# Altium PCB DM4K.pcbdoc (part 1 of 4)
Units mil, origin at the board's own origin, x right, y up, seen from the top; angles counter-clockwise.
Board outline 5262.35 x 2895 mil, 2 copper layers (Top Layer, Bottom Layer); 168 components, 255 nets, 1031 pads, 423 vias.
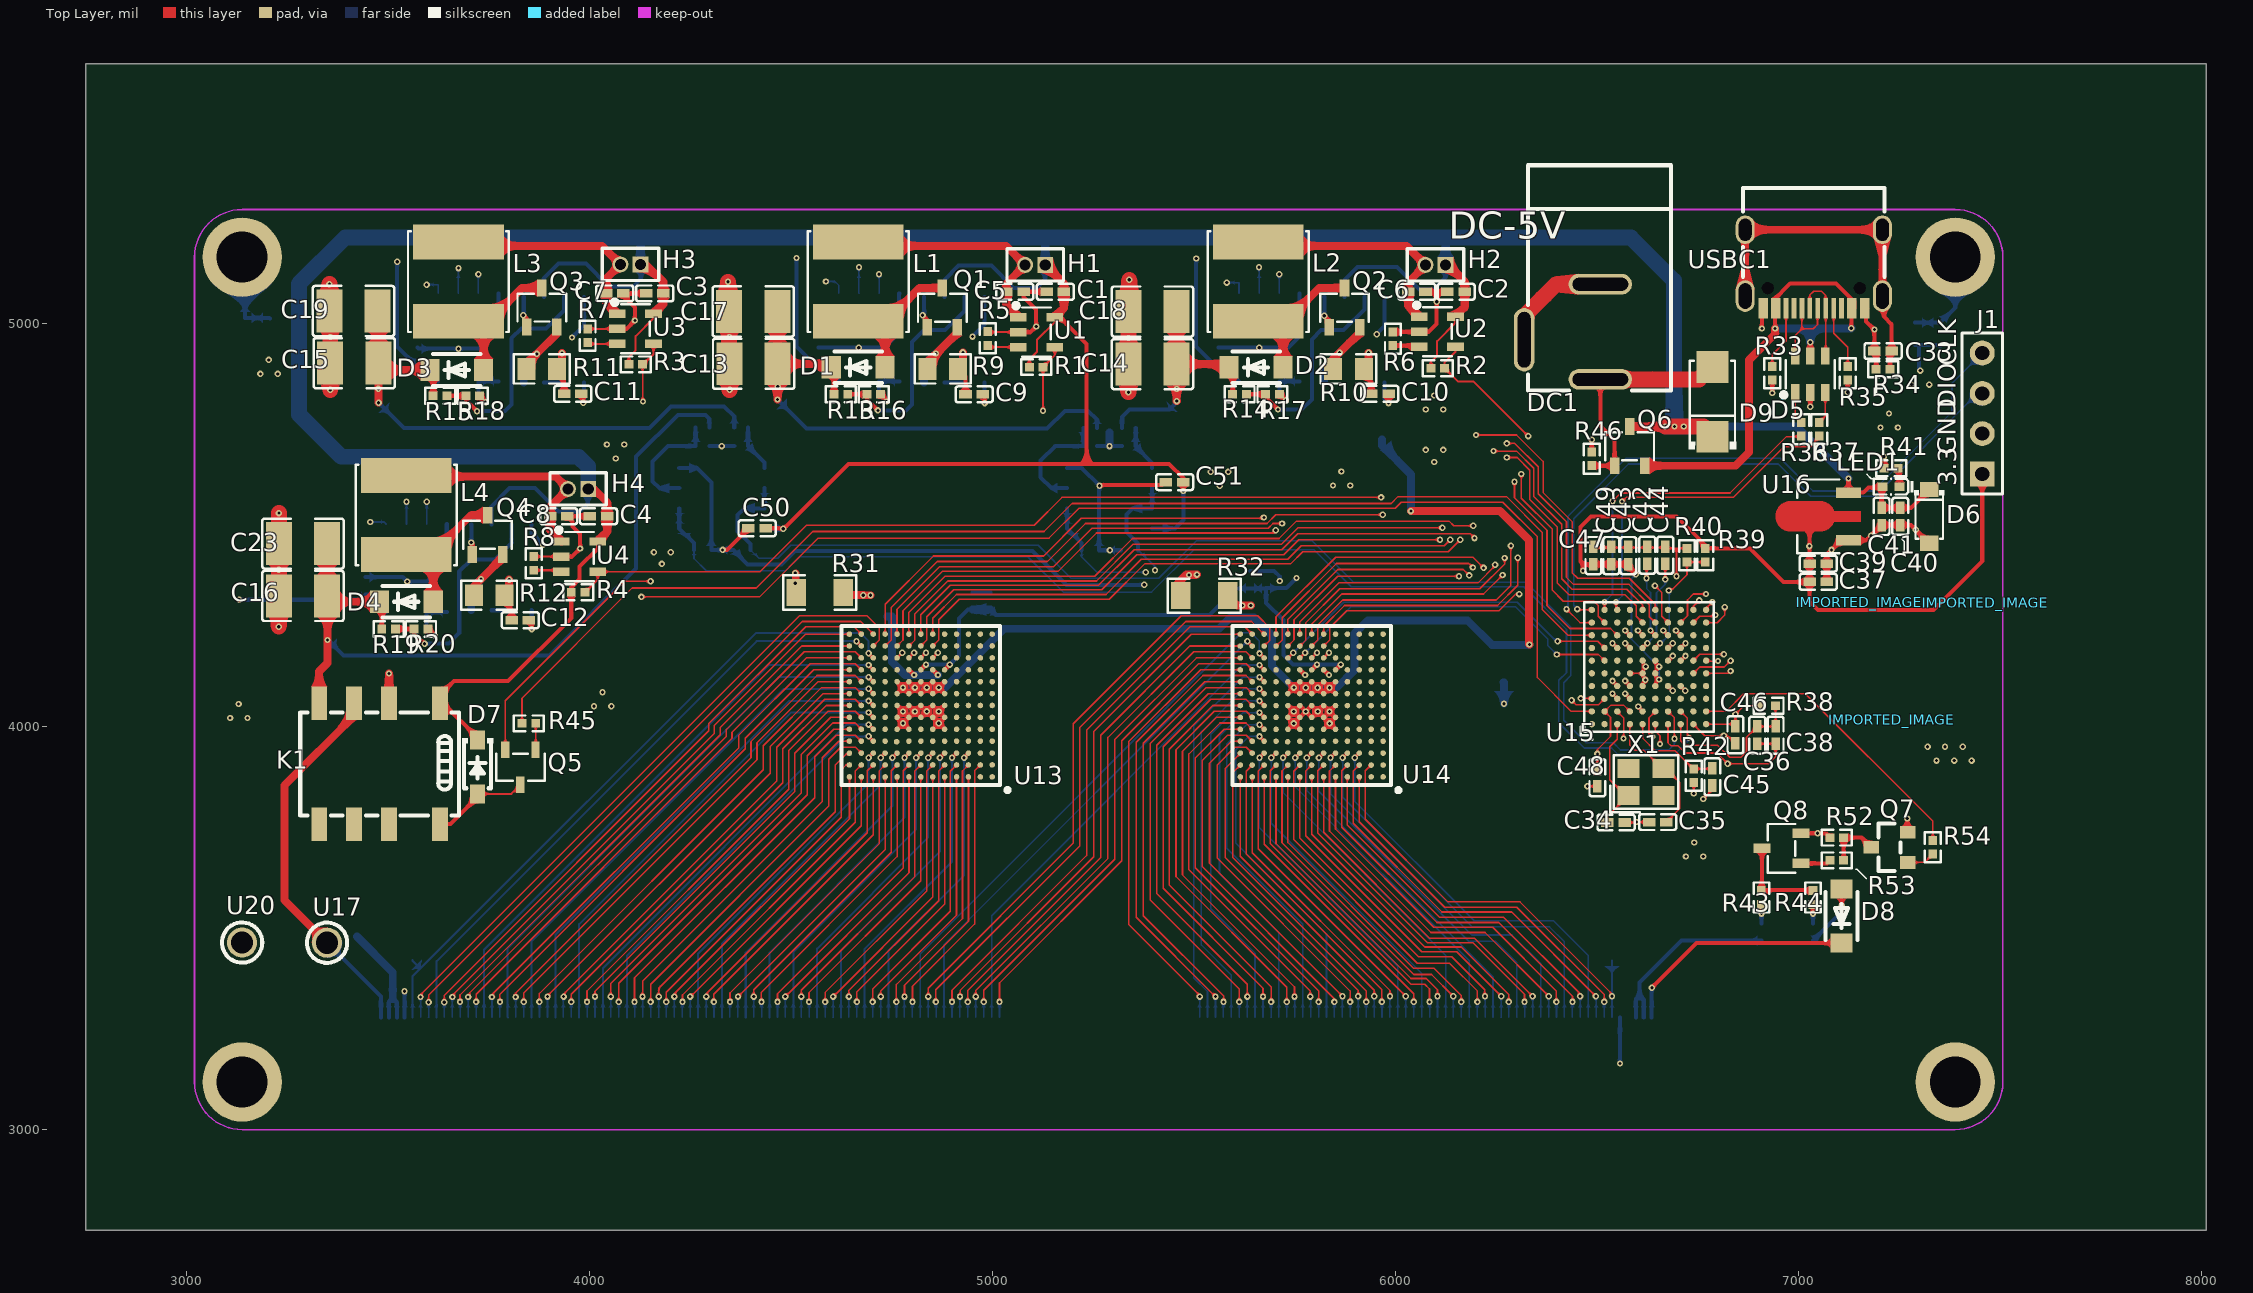
[diagram p0: Top Layer view]
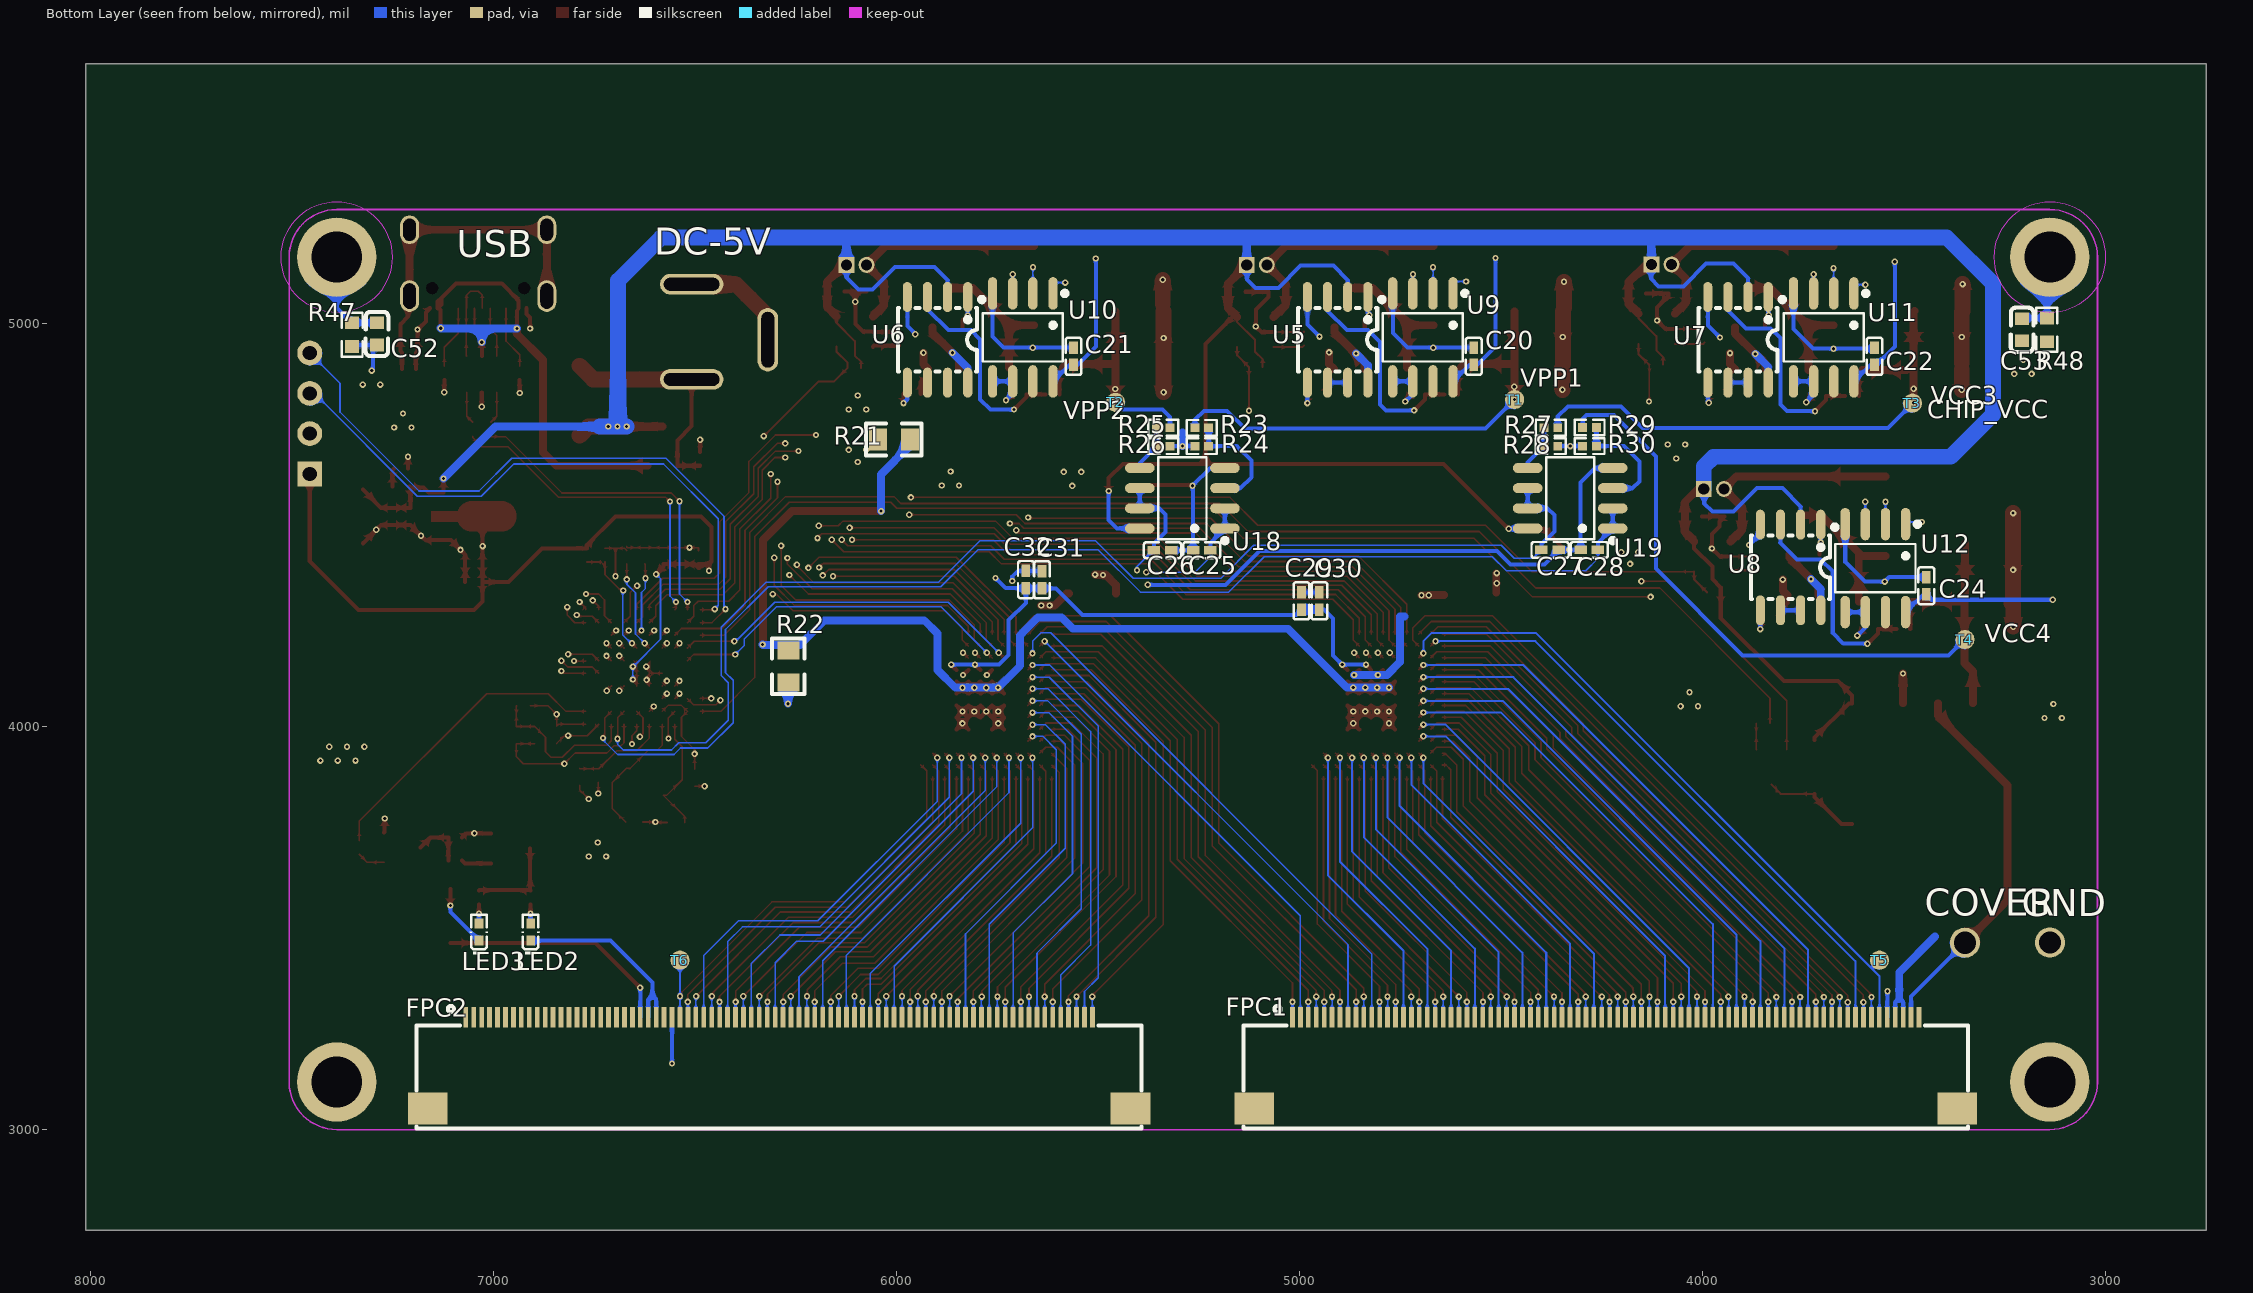
[diagram p1: Bottom Layer view, seen from below]

## Layer stack, top to bottom
Top Layer: signal copper (thickness not stored)
Dielectric: dielectric 12.6, FR-4, Dk 4.8
Bottom Layer: signal copper (thickness not stored)

## Board outline
8012.35,2750 2750,2750 2750,5645 8012.35,5645

## Components (designator, comment, footprint, x,y, rotation, side; value= is the part's Value field where it differs from the comment)
C1 "4.7uF" C0402 5156.13,5079.38 r0 top
C2 "4.7uF_C0402" C0402 6150.85,5079.49 r0 top
C3 "4.7uF_C0402" C0402 4161.89,5075.29 r0 top
C4 "4.7uF_C0402" C0402 4022.34,4522.11 r0 top
C5 "10uF_C0402" C0402 5055.74,5079.38 r180 top
C6 "10uF_C0402" C0402 6053.41,5079.49 r180 top
C7 "10uF_C0402" C0402 4062.48,5075.29 r180 top
C8 "10uF_C0402" C0402 3923.48,4522.11 r180 top
C9 "100nF_C0402_NEW" C0402_NEW 4954.69,4824.72 r0 top
C10 "100nF_C0402_NEW" C0402_NEW 5961.69,4826.22 r0 top
C11 "100nF_C0402_NEW" C0402_NEW 3958.46,4826 r0 top
C12 "100nF_C0402_NEW" C0402_NEW 3828.12,4264.22 r0 top
C13 "10uF_C1210" C1210 4407.34,4900.58 r0 top
C14 "10uF_C1210" C1210 5397.22,4899.69 r0 top
C15 "10uF_C1210" C1210 3416.21,4902.21 r0 top
C16 "10uF_C1210" C1210 3288.85,4324.37 r0 top
C17 "10uF_C1210" C1210 4406.35,5030.5 r0 top
C18 "10uF_C1210" C1210 5397.22,5030.27 r0 top
C19 "10uF_C1210" C1210 3414.24,5031.65 r0 top
C20 "100nF_C0402_NEW" C0402_NEW 4567.76,4919.17 r90 bottom
C21 "100nF_C0402_NEW" C0402_NEW 5561.09,4919.17 r90 bottom
C22 "100nF_C0402_NEW" C0402_NEW 3573.06,4919.17 r90 bottom
C23 "10uF_C1210" C1210 3288.85,4454.29 r0 top
C24 "100nF_C0402_NEW" C0402_NEW 3444.55,4349.69 r90 bottom
C25 "100pF" C0402 5242.82,4437.83 r180 bottom
C26 "100pF" C0402 5340.26,4437.83 r0 bottom
C27 "100pF" C0402 4378.29,4438.66 r0 bottom
C28 "100pF" C0402 4280.89,4438.67 r180 bottom
C29 "10uF" C0402 4995.3,4312.09 r270 bottom
C30 "100nF" C0402_NEW 4950.65,4312.09 r270 bottom
C31 "10uF" C0402 5639.31,4364.57 r270 bottom
C32 "100nF" C0402_NEW 5679.17,4365.06 r270 bottom
C33 "100nF" C0402_NEW 7210.52,4932.41 r0 top
C34 "20pF" C0402 6547.77,3762.21 r0 top
C35 "20pF" C0402 6651.12,3763.19 r180 top
C36 "10uF" C0402 6898.1,3978.99 r270 top
C37 "100nF" C0402_NEW 7049.48,4359.31 r180 top
C38 "100nF" C0402_NEW 6943.78,3978.99 r270 top
C39 "CL05A106MQ5NUNC" C0402 7049.49,4404.59 r180 top
C40 "100nF" C0402_NEW 7253.23,4521.8 r90 top
C41 "CL05A106MQ5NUNC" C0402 7206.87,4521.75 r90 top
C42 "2.2uF" C0402 6625.41,4425.59 r90 top
C43 "1uF" C0402 6578.29,4424.61 r270 top
C44 "2.2uF" C0402 6670.06,4425.59 r90 top
C45 "100nF" C0402_NEW 6786.95,3875.4 r90 top
C46 "100nF" C0402_NEW 6844.03,3979.73 r90 top
C47 "100nF" C0402_NEW 6491.67,4424.61 r270 top
C48 "100nF" C0402_NEW 6501.51,3873.43 r90 top
C49 "100nF" C0402_NEW 6536.12,4424.61 r270 top
C50 "100nF_C0402_NEW" C0402_NEW 4415.81,4492.24 r180 top
C51 "100nF_C0402_NEW" C0402_NEW 5452.13,4606.82 r180 top
C52 "CC0603KRX7R9BB104" C0603 7289.76,4975 r90 bottom
C53 "CC0603KRX7R9BB104" C0603 3206.78,4985.1 r90 bottom
D1 "DSS210" SOD-123_L2.8-W1.8-LS3.7-FD 4666.88,4891.89 r180 top
D2 "DSS210_SOD-123_L2.8-W1.8-LS3.7-FD" SOD-123_L2.8-W1.8-LS3.7-FD 5654.4,4891.89 r180 top
D3 "DSS210_SOD-123_L2.8-W1.8-LS3.7-FD" SOD-123_L2.8-W1.8-LS3.7-FD 3670.5,4885 r180 top
D4 "DSS210_SOD-123_L2.8-W1.8-LS3.7-FD" SOD-123_L2.8-W1.8-LS3.7-FD 3545.27,4310.04 r180 top
D5 "USBLC6-2SC6_C2827654" SOT-23-6_L2.9-W1.6-P0.95-LS2.8-BL 7029.77,4874.54 r0 top
D6 "SMFJ5.0A" SOD-123_L2.8-W1.8-LS3.7-RD 7325.08,4521.8 r270 top
D7 "B5819W SL" SOD-123_L2.7-W1.6-LS3.7-RD-1 3722.02,3900.14 r270 top
D8 "DSS210_SOD-123_L2.8-W1.8-LS3.7-FD" SOD-123_L2.8-W1.8-LS3.7-FD 7107.26,3530 r270 top
D9 "SS34_C8678" SMA_L4.3-W2.6-LS5.2-RD 6786.94,4806 r90 top
DC1 "DC-005 5.5-2.0MM" DC-IN-TH_DC-5520-1 6414.3,4980 r270 top
FPC1 "FH28H-80S-0.5SH(05)" FFC-SMD_80P-P0.50_FH28H-80S-0.5SH 4240.16,3165.35 r180 bottom
FPC2 "FH28H-80S-0.5SH(05)" FFC-SMD_80P-P0.50_FH28H-80S-0.5SH 6291.73,3165.35 r180 bottom
H1 "1.27MM1*2P" 1.27MM1*2P 5106.15,5146 r180 top
H2 "1.27MM1*2P_1.27MM1*2P" 1.27MM1*2P 6099.69,5146 r180 top
H3 "1.27MM1*2P_1.27MM1*2P" 1.27MM1*2P 4101.87,5147.22 r180 top
H4 "1.27MM1*2P_1.27MM1*2P" 1.27MM1*2P 3971.76,4589.94 r180 top
IMPORTED_IMAGE "IMPORTED_IMAGE" IMPORTED_IMAGE 7464.69,4307 r0 top
IMPORTED_IMAGE "IMPORTED_IMAGE" IMPORTED_IMAGE 7151.69,4309 r0 top
IMPORTED_IMAGE "IMPORTED_IMAGE" IMPORTED_IMAGE 7231.69,4017 r0 top
J1 "HDR-M-2.54_1x4" HDR-M-2.54_1X4 7456.69,4777.22 r90 top
K1 "G6K-2F-Y-TR DC5" RELAY-SMD_G6K-2F-X-XX 3478.91,3908.01 r180 top
L1 "YNR6045-221M" IND-SMD_L6.0-W6.0 4667.1,5104.64 r270 top
L2 "YNR6045-221M" IND-SMD_L6.0-W6.0 5659.61,5104.64 r270 top
L3 "YNR6045-221M" IND-SMD_L6.0-W6.0 3674.59,5104.64 r270 top
L4 "YNR6045-221M" IND-SMD_L6.0-W6.0 3545.27,4525.32 r270 top
LED1 "MHT136CSCT" LED0402-RD_ORANGE 7230.41,4595.84 r180 top
LED2 "LED0402-YELLOW" LED0402-RD_YELLOW 6908.69,3490 r90 bottom
LED3 "LED0402-YELLOW" LED0402-RD_YELLOW 7036.69,3490 r90 bottom
Q1 "AP5N10S" SOT-23-3_L2.9-W1.6-P1.90-LS2.8-BR#1 4875.69,5039.89 r270 top
Q2 "AP5N10S_SOT-23-3_L2.9-W1.6-P1.90-LS2.8-BR" SOT-23-3_L2.9-W1.6-P1.90-LS2.8-BR#1 5873.84,5039.89 r270 top
Q3 "AP5N10S_SOT-23-3_L2.9-W1.6-P1.90-LS2.8-BR" SOT-23-3_L2.9-W1.6-P1.90-LS2.8-BR#1 3881.69,5040 r270 top
Q4 "AP5N10S_SOT-23-3_L2.9-W1.6-P1.90-LS2.8-BR" SOT-23-3_L2.9-W1.6-P1.90-LS2.8-BR#1 3746.9,4476.04 r270 top
Q5 "S8050 J3Y_C2146" SOT-23-3_L3.0-W1.7-P0.95-LS2.9-BR 3828.56,3899.29 r90 top
Q6 "CJ3401" SOT-23-3_L2.9-W1.6-P1.90-LS2.8-BR#2 6581.52,4696.17 r270 top
Q7 "S8050_C397180" SOT-23_L2.9-W1.3-P1.90-LS2.4-BR 7226.56,3700.47 r0 top
Q8 "S8550_C105432" SOT-23-3_L2.9-W1.6-P1.90-LS2.8-BR#1 6958.41,3698 r0 top
R1 "4.7kΩ" R0402 5108.73,4892.55 r180 top
R2 "4.7kΩ_R0402" R0402 6105.35,4889.78 r180 top
R3 "4.7kΩ_R0402" R0402 4114.65,4899.15 r180 top
R4 "4.7kΩ_R0402" R0402 3971.76,4333.54 r180 top
R5 "0402WGF3003TCE" R0402 4988.69,4963.56 r270 top
R6 "0402WGF3003TCE" R0402 5994,4962.75 r270 top
R7 "0402WGF3003TCE" R0402 3995.2,4970 r270 top
R8 "0402WGF3003TCE" R0402 3861.45,4405.23 r270 top
R9 "0.04Ω" R0805 4876.69,4887.74 r0 top
R10 "0.04Ω_R0805" R0805 5883.69,4887.74 r0 top
R11 "0.04Ω_R0805" R0805 3881.69,4887.74 r0 top
R12 "0.04Ω_R0805" R0805 3750.79,4326.12 r0 top
R13 "560kΩ" R0402 4623.87,4824.72 r180 top
R14 "560kΩ_R0402" R0402 5613.35,4824.89 r180 top
R15 "560kΩ_R0402" R0402 3629.18,4821.02 r180 top
R16 "12kΩ" R0402 4705.56,4824.72 r0 top
R17 "12kΩ_R0402" R0402 5695.05,4824.89 r0 top
R18 "12kΩ_R0402" R0402 3710.21,4821.02 r0 top
R19 "560kΩ_R0402" R0402 3501.43,4242.44 r180 top
R20 "12kΩ_R0402" R0402 3581.78,4242.36 r0 top
R21 "0" r0805 6006.69,4712.73 r0 bottom
R22 "0" r0805 6268.69,4149.53 r270 bottom
R23 "100kΩ" R0402 5242.61,4741.54 r0 bottom
R24 "4.3kΩ" R0402 5242.61,4696.26 r180 bottom
R25 "100kΩ" R0402 5338.7,4741.66 r180 bottom
R26 "4.3kΩ" R0402 5338.15,4696.26 r0 bottom
R27 "100kΩ" R0402 4376.31,4742 r180 bottom
R28 "4.3kΩ" R0402 4376.31,4696.27 r0 bottom
R29 "100kΩ" R0402 4280.32,4742.53 r0 bottom
R30 "4.3kΩ" R0402 4280.32,4696.44 r180 bottom
R31 "1206W4F0000T5E" R1206 4571.4,4333 r180 top
R32 "1206W4F0000T5E" R1206 5525.69,4325 r180 top
R33 "5.1kΩ" R0402 6935.61,4877.36 r270 top
R34 "0402WGF1004TCE" R0402 7210.53,4887.12 r180 top
R35 "5.1kΩ" R0402 7122.62,4877.36 r90 top
R36 "22Ω" R0402 7007.62,4738.27 r270 top
R37 "22Ω" R0402 7051.91,4738.27 r270 top
R38 "10Ω" R0402 6926.23,4052 r0 top
R39 "NC" R0402 6769.23,4425.59 r270 top
R40 "0" R0402 6723.95,4425.59 r270 top
R41 "10K" R0402 7230.41,4641.12 r0 top
R42 "10K" R0402 6740.69,3878.35 r270 top
R43 "0402WGF1001TCE" R0402 6908.69,3576 r270 top
R44 "0402WGF1001TCE" R0402 7036.69,3576 r270 top
R45 "0402WGF1001TCE" R0402 3849.52,4008 r0 top
R46 "10K" R0402 6487.74,4664.72 r90 top
R47 "0603WAF1004T5E" R0603 7351.72,4973 r90 bottom
R48 "0603WAF1004T5E" R0603 3145.13,4984.79 r90 bottom
R52 "10K" R0402 7095.68,3724.75 r180 top
R53 "0402WGF1001TCE" R0402 7095.69,3667.95 r180 top
R54 "0402WGF1001TCE" R0402 7334.09,3700.47 r270 top
T1 "tesPan" 测试点 4466.36,4811.89 r90 bottom
T2 "tesPan" 测试点 5456.85,4804.9 r180 bottom
T3 "tesPan" 测试点 3478.81,4802.92 r90 bottom
T4 "tesPan" 测试点 3348.6,4216.23 r180 bottom
T5 "tesPan" 测试点 3560.62,3420.48 r180 bottom
T6 "tesPan" 测试点 6537.79,3420.48 r180 bottom
U1 "ME1502CM5G" SOT-23-5_L3.0-W1.5-P0.95-LS2.8-BL 5109.71,4979.25 r270 top
U2 "ME1502CM5G_SOT-23-5_L3.0-W1.5-P0.95-LS2.8-BL" SOT-23-5_L3.0-W1.5-P0.95-LS2.8-BL 6104.23,4980.33 r270 top
U3 "ME1502CM5G_SOT-23-5_L3.0-W1.5-P0.95-LS2.8-BL" SOT-23-5_L3.0-W1.5-P0.95-LS2.8-BL 4113.66,4987.45 r270 top
U4 "ME1502CM5G_SOT-23-5_L3.0-W1.5-P0.95-LS2.8-BL" SOT-23-5_L3.0-W1.5-P0.95-LS2.8-BL 3975.32,4422.12 r270 top
U5 "MAX1771ESA+T" SO-8_L4.9-W3.9-P1.27-LS5.9-BL 4905.66,4960.14 r0 bottom
U6 "MAX1771ESA+T_SO-8_L4.9-W3.9-P1.27-LS5.9-BL" SO-8_L4.9-W3.9-P1.27-LS5.9-BL 5898.57,4960.14 r0 bottom
U7 "MAX1771ESA+T_SO-8_L4.9-W3.9-P1.27-LS5.9-BL" SO-8_L4.9-W3.9-P1.27-LS5.9-BL 3911.8,4960.14 r0 bottom
U8 "MAX1771ESA+T_SO-8_L4.9-W3.9-P1.27-LS5.9-BL" SO-8_L4.9-W3.9-P1.27-LS5.9-BL 3781.49,4395.15 r0 bottom
U9 "MCP41100-I/SN" SOIC-8_L4.9-W3.9-P1.27-LS6.0-BL 4694.05,4966.12 r0 bottom
U10 "MCP41100-I/SN_SOIC-8_L4.9-W3.9-P1.27-LS6.0-BL" SOIC-8_L4.9-W3.9-P1.27-LS6.0-BL 5686.95,4966.12 r0 bottom
U11 "MCP41100-I/SN_SOIC-8_L4.9-W3.9-P1.27-LS6.0-BL" SOIC-8_L4.9-W3.9-P1.27-LS6.0-BL 3699.2,4966.12 r0 bottom
U12 "MCP41100-I/SN_SOIC-8_L4.9-W3.9-P1.27-LS6.0-BL" SOIC-8_L4.9-W3.9-P1.27-LS6.0-BL 3570.87,4393.39 r0 bottom
U13 "HV582GA" "TFBGA-196 10*10*1.1" 4822.38,4052.56 r180 top
U14 "HV582GA" "TFBGA-196 10*10*1.1" 5792.47,4052.41 r180 top
U15 "STM32H743VIH6TR FIX" TFBGA-100_L8.0-W8.0-P0.80-R10-C10-TL-ST_DS 6629.47,4148.03 r90 top
U16 "AMS1117-3.3_C347256" SOT-89_L4.5-W2.5-P1.50-LS4.2-BR 7070.96,4521.79 r0 top
U17 "5003" TEST-TH_BD2.54-P1.39 3348.59,3463.7 r0 top
U18 "LM358_C504545" SOP-8_L4.9-W3.9-P1.27-LS6.0-BL 5290.9,4567.01 r90 bottom
U19 "LM358_C504545" SOP-8_L4.9-W3.9-P1.27-LS6.0-BL 4328.32,4567.01 r90 bottom
U20 "5003" TEST-TH_BD2.54-P1.39 3137.8,3464.1 r0 top
USBC1 "TYPE-C-31-M-12" USB-C_SMD-TYPE-C-31-M-12 7038.63,5135.82 r180 top
X1 "8MHz" CRYSTAL-SMD_4P-L3.2-W2.5-BL 6622.03,3862.8 r0 top

## Footprints (in the part's own frame and the unit in brackets; to place one, negate y for a bottom-side part, rotate by r counter-clockwise, add the part's x,y. Pads: shape width x height; smd on the part's side, far side on the other; paste and mask are expansions set on the pad)
1.27MM1*2P [mm]
  rect 1x1 hole 0.7 paste+0 mask+0.102: 1(-0.635,0)
  round 1 hole 0.7 paste+0 mask+0.102: 2(0.635,0)
  silkscreen extent -1.78,-1.02 1.78,1.02
C0402 [mm]
  rect 0.79x0.54 smd paste-100 mask+0.051: 1(-0.545,0) 2(0.545,0)
  silkscreen extent -1.17,-0.5 1.17,0.5
C0402_NEW [mm]
  rect 0.79x0.54 smd paste-100 mask+0.051: 1(-0.545,0) 2(0.545,0)
  silkscreen extent -1.17,-0.5 1.17,0.5
C0603 [mm]
  rect 0.8x0.9 smd: 1(-0.7,0) 2(0.7,0)
  silkscreen extent -1.41,-0.71 1.39,0.72
C1210 [mm]
  rect 1.635x2.7 smd paste-100 mask+0.051: 1(-1.517,0) 2(1.518,0)
  silkscreen extent -2.56,-1.58 2.56,1.58
CRYSTAL-SMD_4P-L3.2-W2.5-BL [mm]
  rect 1.4x1.2 smd: 1(-1.1,-0.85) 2(1.1,-0.85) 3(1.1,0.85) 4(-1.1,0.85)
  silkscreen extent -2.26,-1.91 2.03,1.68
DC-IN-TH_DC-5520-1 [mm]
  oval 4x1.3 hole 0.8 slot 3.5 at 0 deg paste+0 mask+0.051: 2(0.5,-2.4)
  oval 1.3x4 hole 0.8 slot 3.5 at 90 deg paste+0 mask+0.051: 3(-3,2.4) 4(3,2.4)
  silkscreen extent -10.5,-2.16 3.7,6.85
FFC-SMD_80P-P0.50_FH28H-80S-0.5SH [mm]
  rect 0.3x1.3 smd: 1(-19.75,2.875) 2(-19.25,2.875) 3(-18.75,2.875) 4(-18.25,2.875) 5(-17.75,2.875) 6(-17.25,2.875) 7(-16.75,2.875) 8(-16.25,2.875) 9(-15.75,2.875) 10(-15.25,2.875) 11(-14.75,2.875) 12(-14.25,2.875) 13(-13.75,2.875) 14(-13.25,2.875) 15(-12.75,2.875) 16(-12.25,2.875) 17(-11.75,2.875) 18(-11.25,2.875) 19(-10.75,2.875) 20(-10.25,2.875) 21(-9.75,2.875) 22(-9.25,2.875) 23(-8.75,2.875) 24(-8.25,2.875) 25(-7.75,2.875) 26(-7.25,2.875) 27(-6.75,2.875) 28(-6.25,2.875) 29(-5.75,2.875) 30(-5.25,2.875) 31(-4.75,2.875) 32(-4.25,2.875) 33(-3.75,2.875) 34(-3.25,2.875) 35(-2.75,2.875) 36(-2.25,2.875) 37(-1.75,2.875) 38(-1.25,2.875) 39(-0.75,2.875) 40(-0.25,2.875) 41(0.25,2.875) 42(0.75,2.875) 43(1.25,2.875) 44(1.75,2.875) 45(2.25,2.875) 46(2.75,2.875) 47(3.25,2.875) 48(3.75,2.875) 49(4.25,2.875) 50(4.75,2.875) 51(5.25,2.875) 52(5.75,2.875) 53(6.25,2.875) 54(6.75,2.875) 55(7.25,2.875) 56(7.75,2.875) 57(8.25,2.875) 58(8.75,2.875) 59(9.25,2.875) 60(9.75,2.875) 61(10.25,2.875) 62(10.75,2.875) 63(11.25,2.875) 64(11.75,2.875) 65(12.25,2.875) 66(12.75,2.875) 67(13.25,2.875) 68(13.75,2.875) 69(14.25,2.875) 70(14.75,2.875) 71(15.25,2.875) 72(15.75,2.875) 73(16.25,2.875) 74(16.75,2.875) 75(17.25,2.875) 76(17.75,2.875) 77(18.25,2.875) 78(18.75,2.875) 79(19.25,2.875) 80(19.75,2.875)